# Altium PCB PCB1.PcbDoc
Units mm, origin at the board's own origin, x right, y up, seen from the top; angles counter-clockwise.
Board outline 152.4 x 101.6 mm, 2 copper layers (Top Layer, Bottom Layer); 14 components, 41 nets, 122 pads, 0 vias.
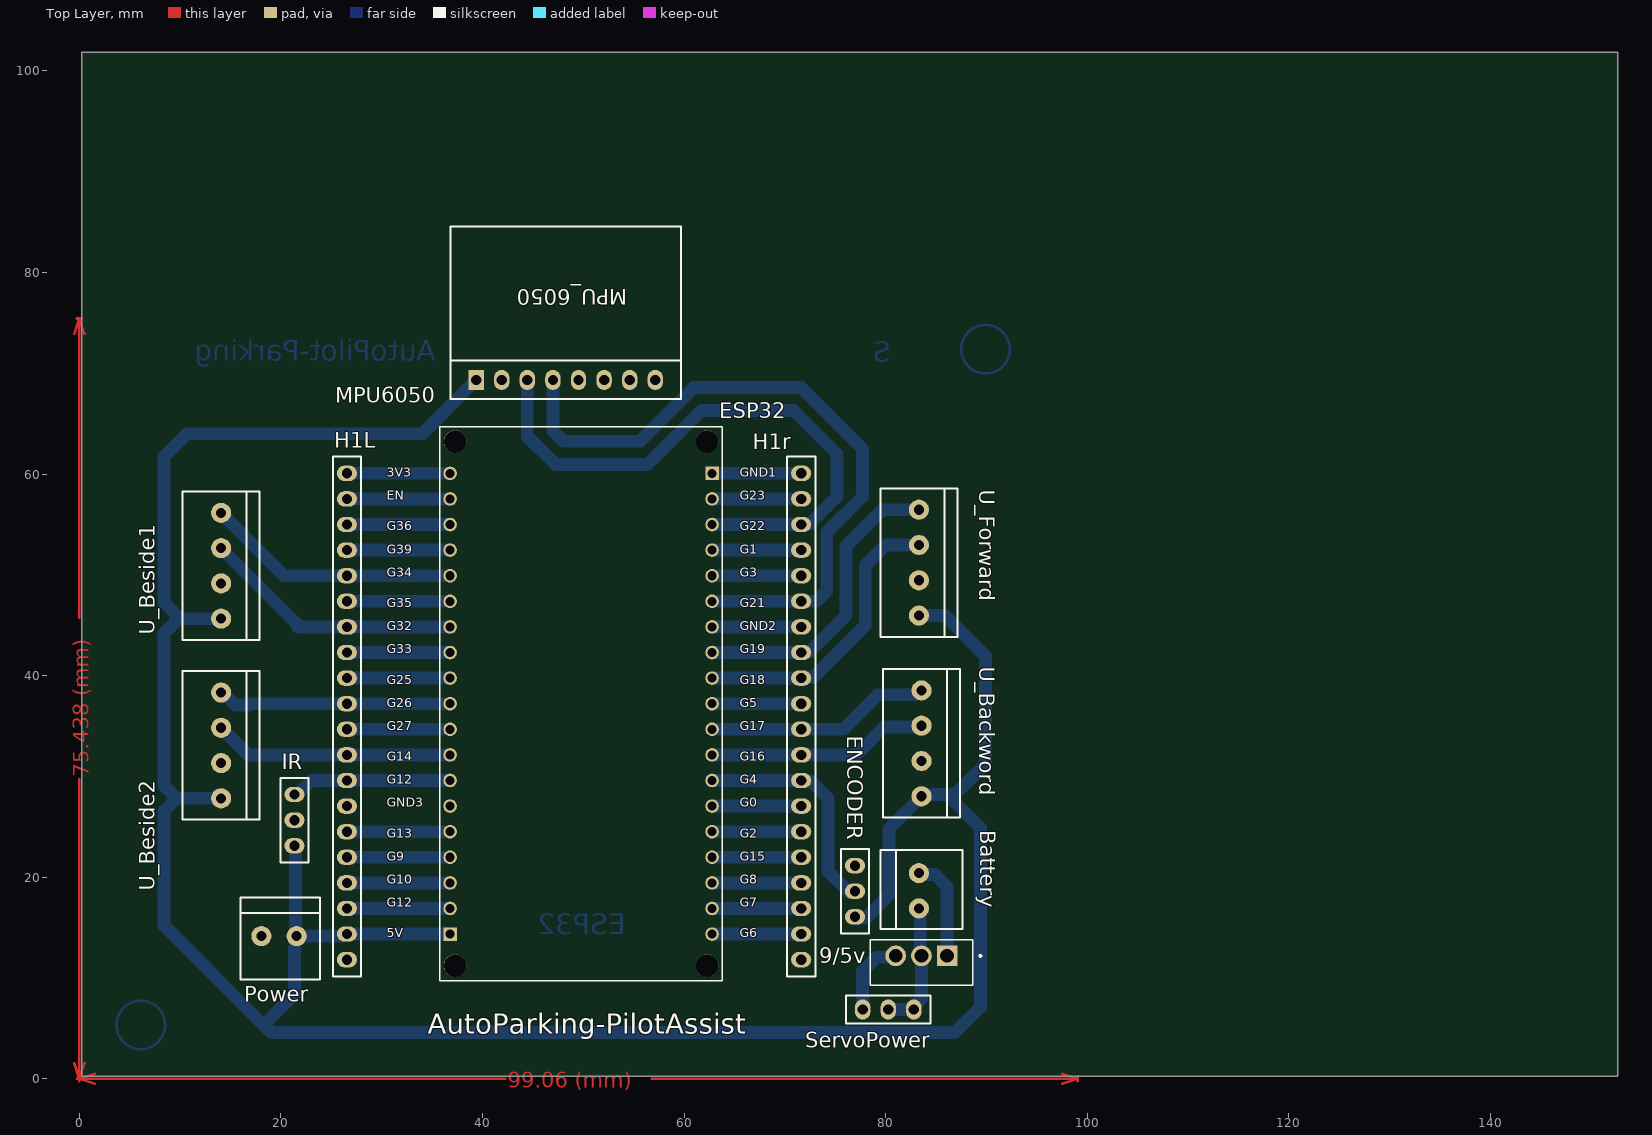
[diagram p0: Top Layer view]
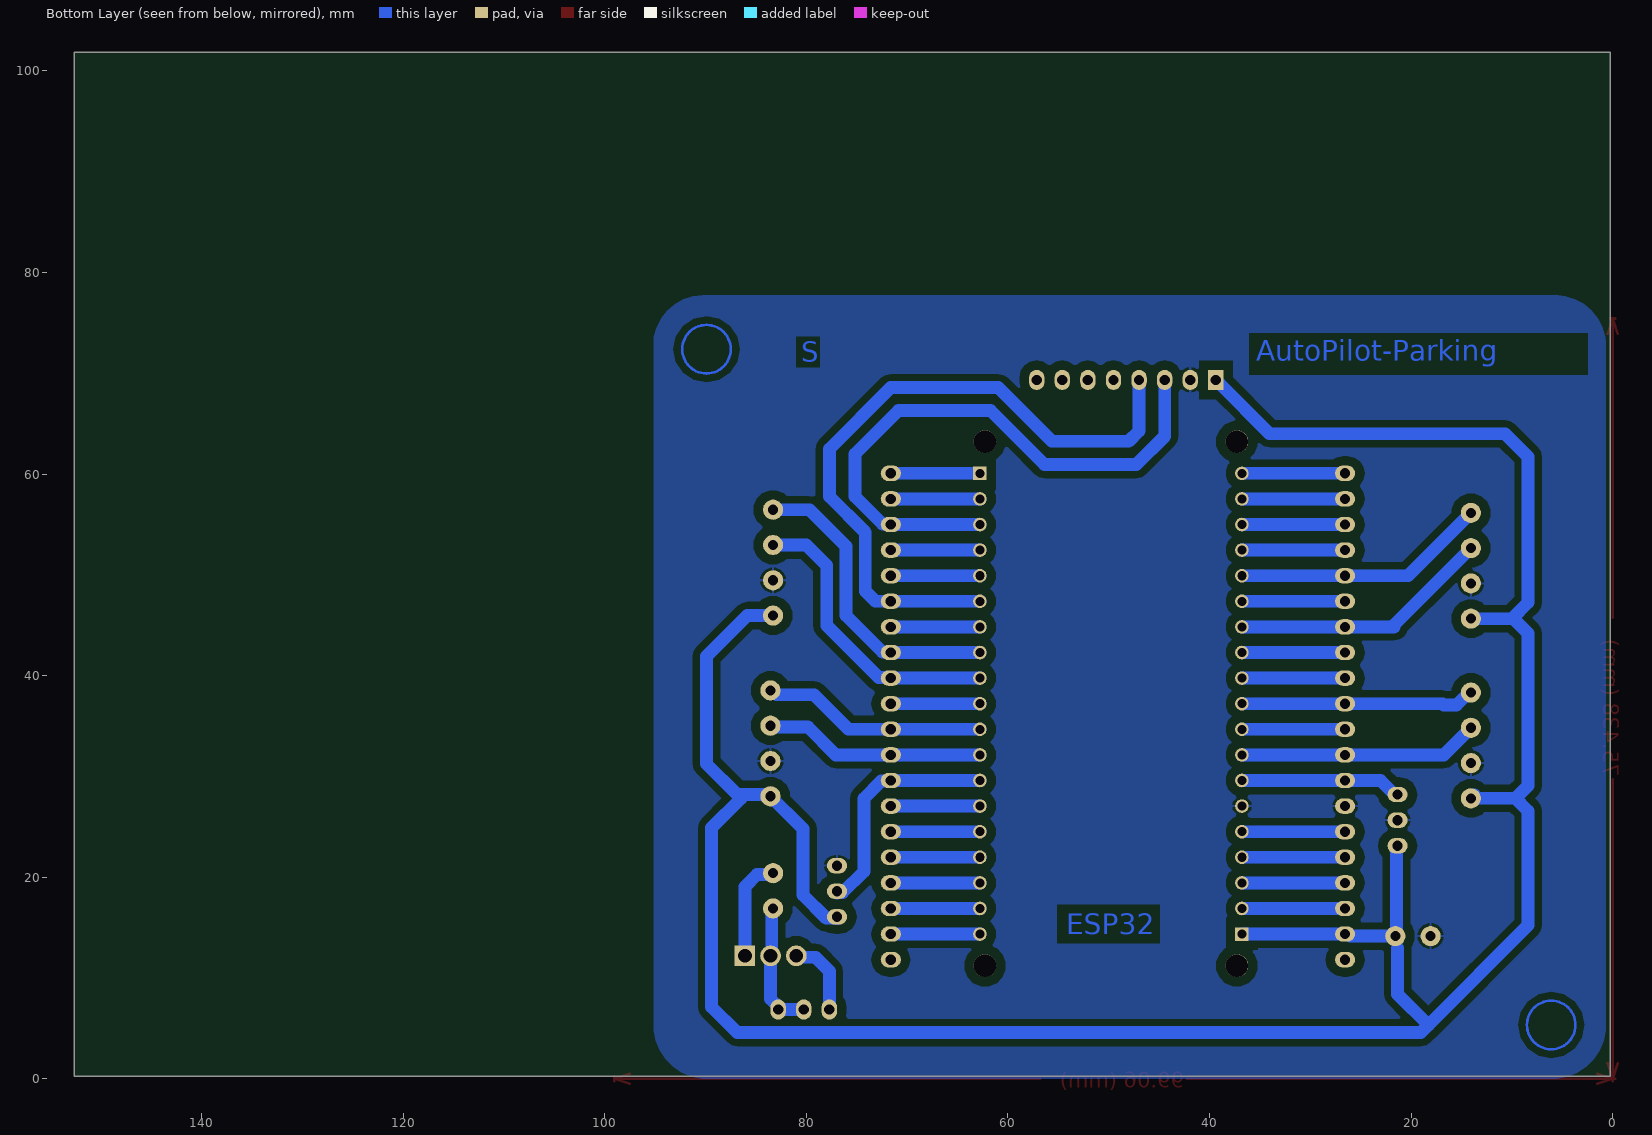
[diagram p1: Bottom Layer view, seen from below]
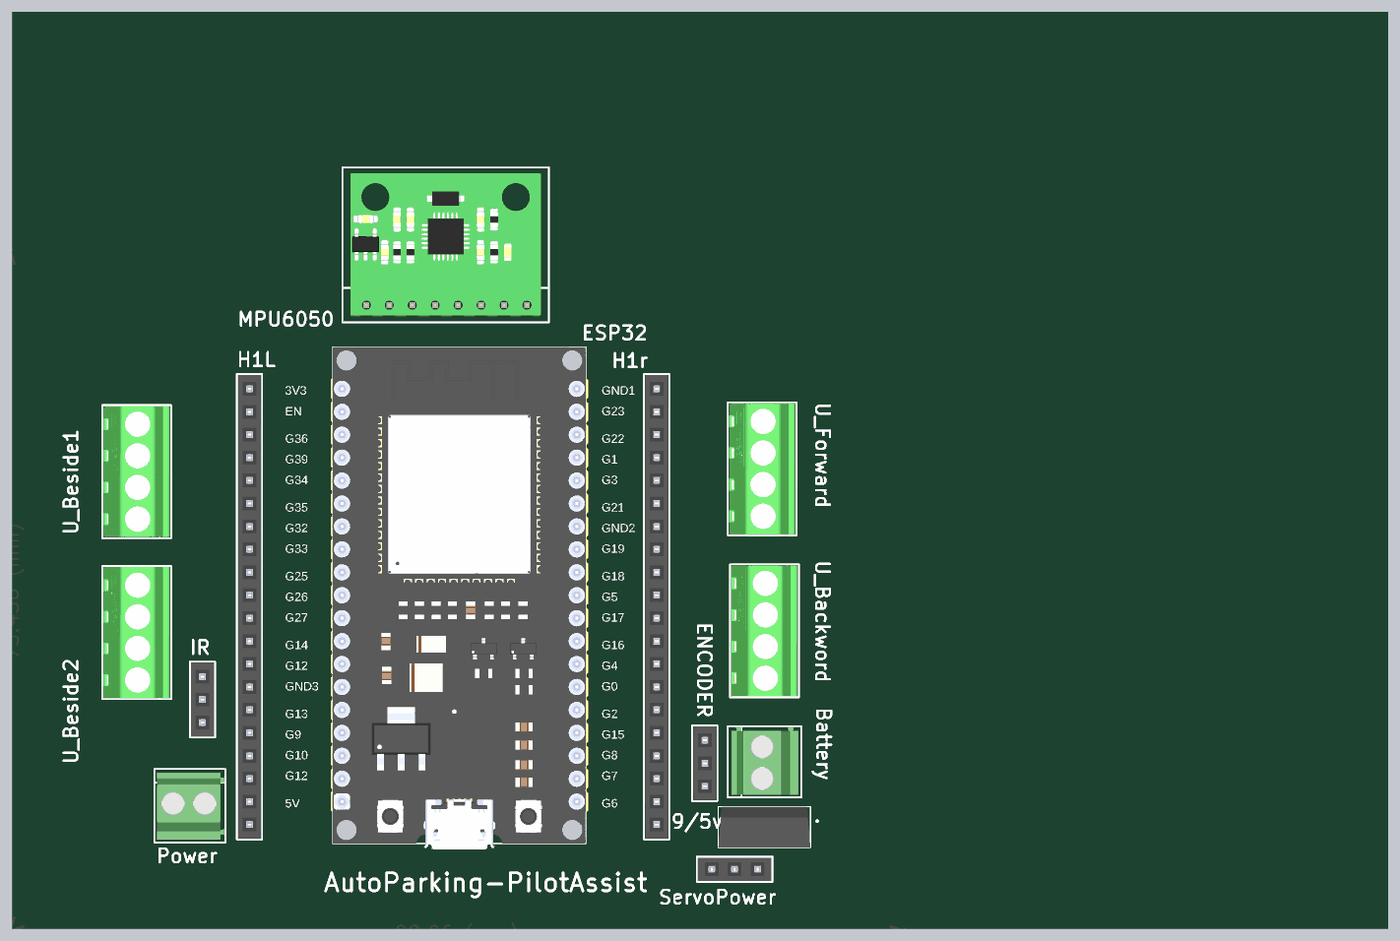
[diagram p2: 3D render of the assembled board from above, using the file's embedded part models]

## Layer stack, top to bottom
Top Solder: solder mask 0.0102, Solder Resist, Dk 3.5
Top Layer: signal copper 0.0356
Dielectric 1: dielectric 0.32, FR-4, Dk 4.8
Bottom Layer: signal copper 0.0356
Bottom Solder: solder mask 0.0102, Solder Resist, Dk 3.5

## Board outline
0.254,0.254 152.654,0.254 152.654,101.854 0.254,101.854

## Design rules (kind name [scope] priority, off if disabled: settings)
Clearance Clearance_3 [InNamedPolygon('GND3_L02_P000')] p1: gap=0.254 ignorepadtopadclearanceinfootprint=FALSE except(0: Arc-Hole Track-Hole SMDPad-Hole THPad-Hole Via-Hole Fill-Hole Poly-Hole Region-Hole Text-Hole; 0.381: Arc-Arc Arc-Track Arc-THPad Track-Track Track-THPad THPad-THPad)
Clearance Clearance_2 [InNamedPolygon('GND3_L02_P000')] p2: gap=0.254 ignorepadtopadclearanceinfootprint=FALSE except(0: Arc-Hole Track-Hole SMDPad-Hole THPad-Hole Via-Hole Fill-Hole Poly-Hole Region-Hole Text-Hole; 0.381: Arc-Arc Arc-Track Track-Track)
Clearance Clearance_1 [InNamedPolygon('GND3_L02_P000')] p3: gap=0.254 ignorepadtopadclearanceinfootprint=FALSE except(0: Arc-Hole Track-Hole SMDPad-Hole THPad-Hole Via-Hole Fill-Hole Poly-Hole Region-Hole Text-Hole; 0.508: Arc-Arc Arc-Track Arc-SMDPad Arc-THPad Arc-Via Arc-Fill Arc-Poly Arc-Region Arc-Text Track-Track Track-SMDPad Track-THPad Track-Via Track-Fill Track-Poly Track-Region Track-Text)
Clearance [All] p4: gap=0.254 ignorepadtopadclearanceinfootprint=FALSE except(0: SMDPad-Hole THPad-Hole Via-Hole Fill-Hole Poly-Hole Region-Hole Text-Hole; 0.4: Arc-Arc Arc-Track Arc-SMDPad Track-Track Track-SMDPad; 0.6: Arc-THPad Arc-Via Arc-Hole Track-THPad Track-Via Track-Hole THPad-Via; 0.686: Arc-Fill Arc-Poly Arc-Region Track-Fill Track-Poly Track-Region; 0.9: THPad-Fill THPad-Poly THPad-Region)
DiffPairsRouting [All] p1: maxlimit=0.254 minlimit=0.254 mostfreqgap=0.254 toplayer_minwidth=0.381 toplayer_maxwidth=0.381 toplayer_prefwidth=0.381 bottomlayer_minwidth=0.381 bottomlayer_maxwidth=0.4 bottomlayer_prefwidth=0.381 maxuncoupledlength=12.7
PolygonConnect [All] p1: connectstyle=Relief reliefconductorwidth=0.254 reliefentries=4 polygonreliefangle="90 Angle" airgapwidth=0.254
RoutingVias [All] p1: holewidth=0.711 width=1.27 viastyle="Through Hole" minholewidth=0.711 minwidth=1.27 maxholewidth=0.711 maxwidth=1.27
SolderMaskExpansion [All] p1: expansion=0.102 istentingtop=FALSE
Width [All] p1: maxlimit=25.4 minlimit=0.254 preferedwidth=0.254 minimp=50.000000 maximp=50.000000 favimp=50.000000
29 further rules are at their usual default settings.

## Components (designator, comment, footprint, x,y, rotation, side; value= is the part's Value field where it differs from the comment)
9/5v "L7805" TO255P1020X450X2000-3 83.556,11.529 r180 top (schematic designator VR?)
Battery "Terminal_block_2pins_3.5mm" Terminal_block_2pins_3.5mm 83.312,18.641 r270 top
ENCODER "FEMALE_HEADER_3" Female_Header_3 76.962,18.6 r270 top
ESP32 "ESP32_NODEMCU" MODULE_ESP32_NODEMCU 49.784,37.211 r0 top
H1L "FEMALE_HEADER_20" Female_Header_20 26.543,35.941 r270 top
H1r "FEMALE_HEADER_20" Female_Header_20 71.628,35.941 r270 top (schematic designator H1R)
IR "FEMALE_HEADER_3" Female_Header_3 21.336,25.654 r270 top
MPU6050 "MPU_6050" MPU6050 48.26,69.342 r180 top
Power "Terminal_block_2pins_3.5mm" Terminal_block_2pins_3.5mm 19.812,14.151 r180 top
ServoPower "FEMALE_HEADER_3" Female_Header_3 80.264,6.858 r0 top
U_Backword "Terminal_block_4pins_3.5mm" Terminal_block_4pins_3.5mm 83.566,33.274 r90 top (schematic designator UltrasonicBackword)
U_Beside1 "Terminal_block_4pins_3.5mm" Terminal_block_4pins_3.5mm 14.061,50.9 r90 top (schematic designator UltrasonicBeside1)
U_Beside2 "Terminal_block_4pins_3.5mm" Terminal_block_4pins_3.5mm 14.061,33.071 r90 top (schematic designator UltrasonicBeside2)
U_Forward "Terminal_block_4pins_3.5mm" Terminal_block_4pins_3.5mm 83.312,51.209 r90 top (schematic designator UltrasonicForward)

## Footprints (in the part's own frame and the unit in brackets; to place one, negate y for a bottom-side part, rotate by r counter-clockwise, add the part's x,y. Pads: shape width x height; smd on the part's side, far side on the other; paste and mask are expansions set on the pad)
Female_Header_3 [mil]
  oval 60x78.74 hole 40: 1(-100,0) 2(0,0) 3(100,0)
  silkscreen extent -165,-55 165,55, body extent -160,-50 160,50, height 336
Female_Header_20 [mil]
  oval 60x78.74 hole 40: 1(-950,0) 2(-850,0) 3(-750,0) 4(-650,0) 5(-550,0) 6(-450,0) 7(-350,0) 8(-250,0) 9(-150,0) 10(-50,0) 11(50,0) 12(150,0) 13(250,0) 14(350,0) 15(450,0) 16(550,0) 17(650,0) 18(750,0) 19(850,0) 20(950,0)
  silkscreen extent -1015,-55 1015,55, body extent -1010,-50 1010,50, height 336
MODULE_ESP32_NODEMCU [mm]
  rect 1.35x1.35 / inner round 1.35 / far side rect 1.35x1.35 hole 0.9: J4_1(13,22.86) J5_1(-13,-22.86)
  round 1.35 hole 0.9: J4_2(13,20.32) J4_3(13,17.78) J4_4(13,15.24) J4_5(13,12.7) J4_6(13,10.16) J4_7(13,7.62) J4_8(13,5.08) J4_9(13,2.54) J4_10(13,0) J4_11(13,-2.54) J4_12(13,-5.08) J4_13(13,-7.62) J4_14(13,-10.16) J4_15(13,-12.7) J4_16(13,-15.24) J4_17(13,-17.78) J4_18(13,-20.32) J4_19(13,-22.86) J5_2(-13,-20.32) J5_3(-13,-17.78) J5_4(-13,-15.24) J5_5(-13,-12.7) J5_6(-13,-10.16) J5_7(-13,-7.62) J5_8(-13,-5.08) J5_9(-13,-2.54) J5_10(-13,0) J5_11(-13,2.54) J5_12(-13,5.08) J5_13(-13,7.62) J5_14(-13,10.16) J5_15(-13,12.7) J5_16(-13,15.24) J5_17(-13,17.78) J5_18(-13,20.32) J5_19(-13,22.86)
  round 2.25 hole 2.25 unplated: ""(-12.5,-26) ""(-12.5,26) ""(12.5,-26) ""(12.5,26)
  silkscreen extent -14,-27.5 14,27.5, body extent -14.25,-28.15 14.25,27.5, height 7.05
MPU6050 [mm]
  oval 1.524x2 hole 1.02: ADO(-6.35,0) GND(6.35,0) INT(-8.89,0) SCL(3.81,0) SDA(1.27,0) XCL(-3.81,0) XDA(-1.27,0)
  rect 1.524x2 hole 1.02: VCC(8.89,0)
  silkscreen extent -11.43,-15.24 11.43,1.91, body extent -10.55,-14.6 10.55,1.27, height 14.64
Terminal_block_2pins_3.5mm [mm]
  round 2 hole 1: 1(-1.75,0) 2(1.75,0)
  silkscreen extent -4.06,-3.81 3.81,4.32, body extent -3.93,-3.4 3.52,4, height 8.51
Terminal_block_4pins_3.5mm [mm]
  round 2 hole 1: 1(-5.25,0) 2(-1.75,0) 3(1.75,0) 4(5.25,0)
  silkscreen extent -7.37,-3.81 7.37,3.81, body extent -7.25,-3.65 7.25,3.65, height 8.51
TO255P1020X450X2000-3 [mm]
  rect 2.055x2.055 / inner round 2.055 / far side rect 2.055x2.055 hole 1.37: 1(-2.55,-0.663)
  round 2.055 hole 1.37: 2(0,-0.663) 3(2.55,-0.663)
  silkscreen extent -5.95,-2.25 5.1,2.25, body extent -5.1,-2.25 5.1,2.25, height 20

## Part data
9/5v: library part CMP-003-000000-1, "Standard Regulator Pos 5V 1.5A 3-Pin(3+Tab) TO-220FP Tube", Package=None, Availability="Not in stock", Check_prices=https://www.snapeda.com/parts/L7805/STMicroelectronics/view-part/?ref=eda, Component Type=Standard, Design Item ID=L7805, MF=STMicroelectronics, MP=L7805, Pin Count=3, Price=None, SnapEDA_Link=https://www.snapeda.com/parts/L7805/STMicroelectronics/view-part/?ref=snap, Source=L7805.SchLib
ESP32: "NodeMCU is an open source loT platform. ESP32 is a series of low cost, low powersystem-on-chip (SoC) microcontrollers with integrated Wi-Fi & dual-mode Bluetooth.", Package=Package, Check_prices=https://www.snapeda.com/parts/ESP32%20NODEMCU/Espressif+Systems/view-part/?ref=eda, MF="Espressif Systems", MP="ESP32 NODEMCU", SnapEDA_Link=https://www.snapeda.com/parts/ESP32%20NODEMCU/Espressif+Systems/view-part/?ref=snap

## Nets (pads, with @x,y where several pads share a name; then routed paths per layer and width w, separated by ;. In a path a pad name is that pad's centre, name@x,y a point inside that pad or via, vN(x,y) a via of type N, cw(c..) or ccw(c..) an arc to the next point about the centre after c; other vN are vias at no path point)
3V3: ESP32.J5_19 H1L.1 | length 10.2
  Bottom Layer w1.27: H1L.1 ESP32.J5_19
5V: ENCODER.3 ESP32.J5_1 H1L.19 IR.3 MPU6050.VCC Power.1 U_Backword.1 U_Beside1.1 U_Beside2.1 U_Forward.1 | length 276.2
  Bottom Layer w1.27: 9.836,45.65 8.382,44.196 8.382,29.065 9.626,27.821 ; U_Beside2.1@13.716,28.165 U_Beside2.1 9.626,27.821 ; U_Beside1.1 9.976,45.65 8.382,47.244 8.382,61.722 10.668,64.008 34.036,64.008 39.005,68.977 39.243,68.977 39.37,69.104 MPU6050.VCC ; 21.336,12.954 21.336,8.382 18.279,5.325 ; IR.3 21.449,23.001 21.449,14.264 Power.1 26.036,14.151 26.236,14.351 H1L.19 ; H1L.19@26.766,14.351 ESP32.J5_1 ; ENCODER.3@76.962,15.875 77.011,15.924 78.027,15.924 80.337,18.234 80.337,24.795 83.706,28.164 84.222,28.164 84.252,28.194 86.106,28.194 ; U_Forward.1 85.867,45.959 89.916,41.91 89.916,31.242 86.868,28.194 86.106,28.194 ; 9.626,27.821 8.382,26.577 8.382,15.222 18.279,5.325 ; 18.279,5.325 19.032,4.572 86.868,4.572 89.408,7.112 89.408,24.892 86.487,27.813 86.106,28.194
+ve: 9/5v.1 Battery.1 | length 10.2
  Bottom Layer w1.27: Battery.1 83.452,20.251 84.905,20.251 86.106,19.05 9/5v.1
-ve: 9/5v.2 Battery.2 ServoPower.2 ServoPower.3 | length 13
  Bottom Layer w1.27: ServoPower.2 ServoPower.3 82.804,7.165 83.556,7.917 9/5v.2 83.434,12.314 83.434,16.769 Battery.2
EN: ESP32.J5_18 H1L.2 | length 10.2
  Bottom Layer w1.27: H1L.2 ESP32.J5_18
G0: ESP32.J4_14 H1r.14 | length 8.1
  Bottom Layer w1.27: ESP32.J4_14 H1r.14@70.866,27.051
G1: ESP32.J4_4 H1r.4 | length 8.1
  Bottom Layer w1.27: ESP32.J4_4 H1r.4@70.866,52.451
G2: ESP32.J4_15 H1r.15 | length 8.1
  Bottom Layer w1.27: ESP32.J4_15 H1r.15@70.866,24.511
G3: ESP32.J4_5 H1r.5 | length 8.1
  Bottom Layer w1.27: ESP32.J4_5 H1r.5@70.866,49.911
G4: ENCODER.2 ESP32.J4_13 H1r.13 | length 22.3
  Bottom Layer w1.27: ESP32.J4_13 H1r.13@70.866,29.591 ; H1r.13 71.677,29.542 72.566,29.542 74.295,27.813 74.295,20.574 76.405,18.464 76.913,18.464 ENCODER.2@76.962,18.415
G5: ESP32.J4_10 H1r.10 | length 8.1
  Bottom Layer w1.27: ESP32.J4_10 H1r.10@70.866,37.211
G6: ESP32.J4_19 H1r.19 | length 8.1
  Bottom Layer w1.27: ESP32.J4_19 H1r.19@70.866,14.351
G7: ESP32.J4_18 H1r.18 | length 8.1
  Bottom Layer w1.27: ESP32.J4_18 H1r.18@70.866,16.891
G8: ESP32.J4_17 H1r.17 | length 8.1
  Bottom Layer w1.27: ESP32.J4_17 H1r.17@70.866,19.431
G9: ESP32.J5_4 H1L.16 | length 10.2
  Bottom Layer w1.27: H1L.16 ESP32.J5_4
G10: ESP32.J5_3 H1L.17 | length 10.2
  Bottom Layer w1.27: H1L.17 ESP32.J5_3
G11: ESP32.J5_2 H1L.18 | length 10.2
  Bottom Layer w1.27: H1L.18 ESP32.J5_2
G12: ESP32.J5_7 H1L.13 IR.1 | length 16
  Bottom Layer w1.27: IR.1 21.643,28.194 23.04,29.591 H1L.13 ESP32.J5_7
G13: ESP32.J5_5 H1L.15 | length 10.2
  Bottom Layer w1.27: H1L.15 ESP32.J5_5
G14: ESP32.J5_8 H1L.12 U_Beside2.3 | length 23.8
  Bottom Layer w1.27: U_Beside2.3 16.75,32.131 H1L.12 ESP32.J5_8
G15: ESP32.J4_16 H1r.16 | length 8.1
  Bottom Layer w1.27: ESP32.J4_16 H1r.16@70.866,21.971
G16: ESP32.J4_12 H1r.12 U_Backword.3 | length 21.2
  Bottom Layer w1.27: ESP32.J4_12 H1r.12@70.866,32.131 ; H1r.12 77.089,32.131 79.847,34.889 83.431,34.889 U_Backword.3
G17: ESP32.J4_11 H1r.11 U_Backword.4 | length 21.6
  Bottom Layer w1.27: ESP32.J4_11 H1r.11@70.866,34.671 ; H1r.11 75.819,34.671 79.248,38.1 82.944,38.1 83.368,38.524 U_Backword.4
G18: ESP32.J4_9 H1r.9 U_Forward.3 | length 28.7
  Bottom Layer w1.27: ESP32.J4_9 H1r.9@70.866,39.751 ; H1r.9 71.677,39.8 72.82,39.8 77.978,44.958 77.978,50.927 80.01,52.959 U_Forward.3
G19: ESP32.J4_8 H1r.8 U_Forward.4 | length 29.7
  Bottom Layer w1.27: ESP32.J4_8 H1r.8@70.866,42.291 ; H1r.8 71.677,42.34 72.439,42.34 76.073,45.974 76.073,52.832 79.7,56.459 U_Forward.4
G21: ESP32.J4_6 H1r.6 MPU6050.SDA | length 68.3
  Bottom Layer w1.27: MPU6050.SDA 46.99,64.262 48.006,63.246 55.626,63.246 60.96,68.58 71.628,68.58 77.724,62.484 77.724,57.785 74.168,54.229 74.168,48.403 73.136,47.371 H1r.6 ESP32.J4_6
G22: ESP32.J4_3 H1r.3 MPU6050.SCL | length 58.5
  Bottom Layer w1.27: MPU6050.SCL 44.45,63.754 47.262,60.942 56.37,60.942 61.722,66.294 70.866,66.294 75.184,61.976 75.184,57.785 72.439,55.04 71.677,55.04 H1r.3 ; ESP32.J4_3 H1r.3@70.866,54.991
G23: ESP32.J4_2 H1r.2 | length 8.1
  Bottom Layer w1.27: ESP32.J4_2 H1r.2@70.866,57.531
G25: ESP32.J5_11 H1L.9 | length 10.2
  Bottom Layer w1.27: H1L.9 ESP32.J5_11
G26: ESP32.J5_10 H1L.10 U_Beside2.4 | length 23.3
  Bottom Layer w1.27: U_Beside2.4 14.258,38.321 15.495,37.084 16.764,37.084 16.891,37.211 H1L.10 ESP32.J5_10
G27: ESP32.J5_9 H1L.11 | length 10.2
  Bottom Layer w1.27: H1L.11 ESP32.J5_9
G32: ESP32.J5_13 H1L.7 U_Beside1.3 | length 26.1
  Bottom Layer w1.27: U_Beside1.3 21.681,45.029 21.681,44.831 H1L.7 ESP32.J5_13
G33: ESP32.J5_12 H1L.8 | length 10.2
  Bottom Layer w1.27: H1L.8 ESP32.J5_12
G34: ESP32.J5_15 H1L.5 U_Beside1.4 | length 25.3
  Bottom Layer w1.27: U_Beside1.4 20.299,49.911 H1L.5 ESP32.J5_15
G35: ESP32.J5_14 H1L.6 | length 10.2
  Bottom Layer w1.27: H1L.6 ESP32.J5_14
G36: ESP32.J5_17 H1L.3 | length 10.2
  Bottom Layer w1.27: H1L.3 ESP32.J5_17
G39: ESP32.J5_16 H1L.4 | length 10.2
  Bottom Layer w1.27: H1L.4 ESP32.J5_16
GND1: ESP32.J4_1 H1r.1 | length 8.1
  Bottom Layer w1.27: ESP32.J4_1 H1r.1@70.866,60.071
GND2: ESP32.J4_7 H1r.7 | length 8.1
  Bottom Layer w1.27: ESP32.J4_7 H1r.7@70.866,44.831
GND3: ENCODER.1 ESP32.J5_6 H1L.14 IR.2 MPU6050.GND Power.2 U_Backword.2 U_Beside1.2 U_Beside2.2 U_Forward.2
servopower: 9/5v.3 ServoPower.1 | length 7.7
  Bottom Layer w1.27: ServoPower.1 77.724,10.668 79.098,12.042 80.856,12.042 9/5v.3
pads on no net: ESP32. H1L.20 H1r.20 MPU6050.ADO MPU6050.INT MPU6050.XCL MPU6050.XDA
copper on no net: | length 189.1
  Top Layer w0.254: -0.508,1.524 0,0 ; -0.508,73.914 0,75.438 ; -0.254,0 0.254,0 ; -0.254,75.438 0.254,75.438 ; 0,-0.254 0,0.254 ; 0,29.695 0,0 ; 0,45.743 0,75.438 ; 0.508,1.524 0,0 ; 0.508,73.914 0,75.438 ; 1.524,-0.508 0,0 ; 1.524,0.508 0,0 ; 42.268,0 0,0 ; 56.792,0 99.06,0 ; 97.536,-0.508 99.06,0 ; 97.536,0.508 99.06,0 ; 99.06,-0.254 99.06,0.254
  Bottom Layer w0.254: 8.506,5.334 ccw(c6.096,5.334) 8.506,5.334 ; 92.326,72.39 ccw(c89.916,72.39) 92.326,72.39

## Polygon pours and split planes (outlines as drawn)
GND3 on Bottom Layer "GND3_L02_P001" (solid, remove dead copper, pour order 1): 89.84,77.724 cw(c90.221,72.771) 95.174,73.152 95.174,5.334 cw(c89.84,5.334) 89.84,0 6.02,0 cw(c6.02,5.334) 0.686,5.334 0.686,73.152 cw(c5.715,72.695) 6.172,77.724

## Other copper
Top Layer:
  text "75.438 (mm)" at 0.914,29.949 h1.52 r90
  text "99.06 (mm)" at 42.522,-0.914 h1.52
Bottom Layer:
  text "AutoPilot-Parking" at 35.357,71.238 h2.03
  text "S" at 80.518,71.12 h2
  text "ESP32" at 54.229,14.351 h2.03

## Silkscreen, mask and mechanical layers (free items; w line width, h text height)
Top Overlay:
  text "3V3" at 30.48,59.436 h1.52
  text "GND1" at 65.532,59.436 h1.52
  text "G23" at 65.532,57.15 h1.52
  text "EN" at 30.48,57.133 h1.52
  text "G36" at 30.48,54.102 h1.52
  text "G22" at 65.532,54.102 h1.52
  text "G39" at 30.48,51.816 h1.52
  text "G1" at 65.532,51.816 h1.52
  text "G34" at 30.48,49.53 h1.52
  text "G3" at 65.532,49.53 h1.52
  text "G35" at 30.48,46.482 h1.52
  text "G21" at 65.532,46.482 h1.52
  text "G32" at 30.48,44.196 h1.52
  text "GND2" at 65.532,44.196 h1.52
  text "G33" at 30.48,41.91 h1.52
  text "G19" at 65.532,41.91 h1.52
  text "G25" at 30.48,38.862 h1.52
  text "G18" at 65.532,38.862 h1.52
  text "G26" at 30.48,36.576 h1.52
  text "G5" at 65.532,36.576 h1.52
  text "G27" at 30.48,34.29 h1.52
  text "G17" at 65.532,34.29 h1.52
  text "G14" at 30.48,31.242 h1.52
  text "G16" at 65.532,31.242 h1.52
  text "G12" at 30.48,28.956 h1.52
  text "G4" at 65.532,28.956 h1.52
  text "GND3" at 30.48,26.67 h1.52
  text "G0" at 65.532,26.67 h1.52
  text "G13" at 30.48,23.622 h1.52
  text "G2" at 65.532,23.622 h1.52
  text "G9" at 30.48,21.336 h1.52
  text "G15" at 65.532,21.336 h1.52
  text "G10" at 30.48,19.05 h1.52
  text "G8" at 65.532,19.05 h1.52
  text "G12" at 30.48,16.764 h1.52
  text "G7" at 65.532,16.764 h1.52
  text "5V" at 30.48,13.716 h1.52
  text "G6" at 65.532,13.716 h1.52
  text "AutoParking-PilotAssist" at 34.59,4.463 h2
Top Paste: